# Altium PCB breakout_board.PcbDoc
Units mil, origin at the board's own origin, x right, y up, seen from the top; angles counter-clockwise.
Board outline 2000 x 900 mil, 2 copper layers (Top Layer, Bottom Layer), stack 61.855 mil thick; 38 components, 37 nets, 161 pads, 93 vias.
Unrouted connection lines stored in the file: 33.
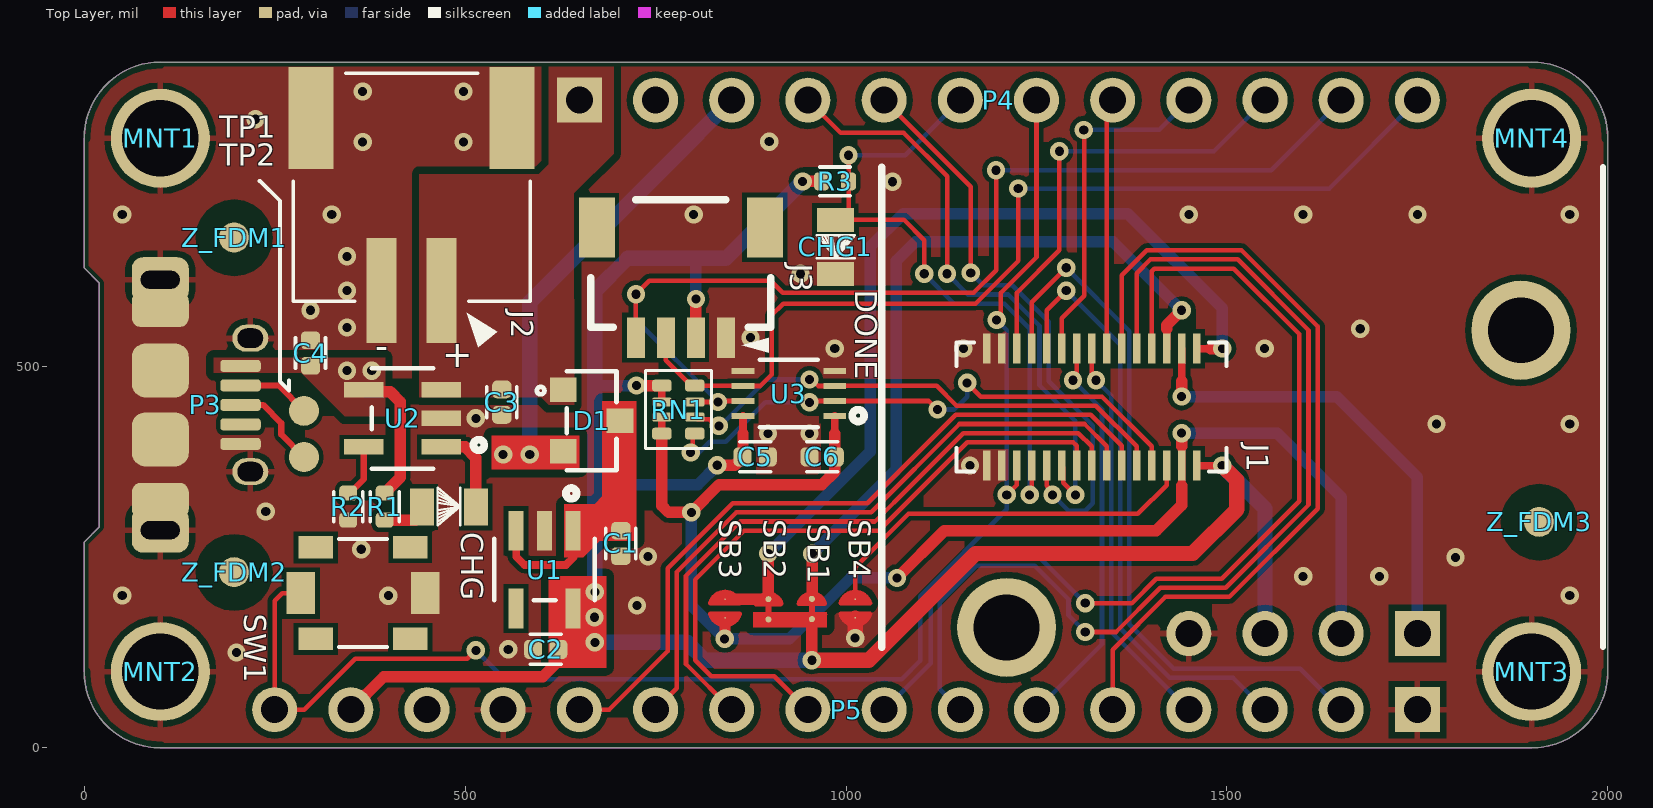
[diagram p0: Top Layer view]
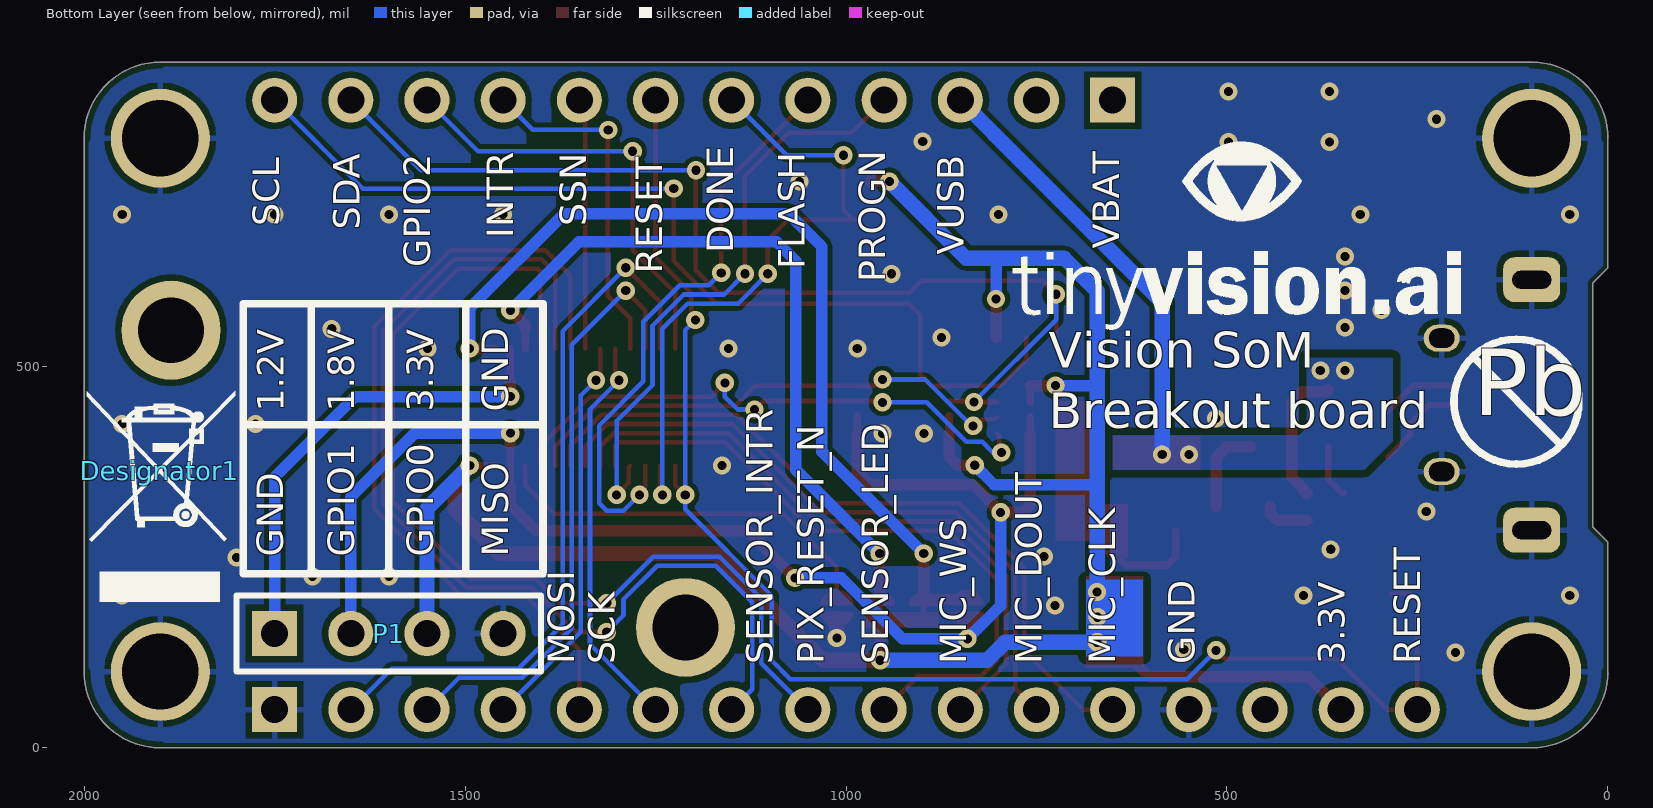
[diagram p1: Bottom Layer view, seen from below]
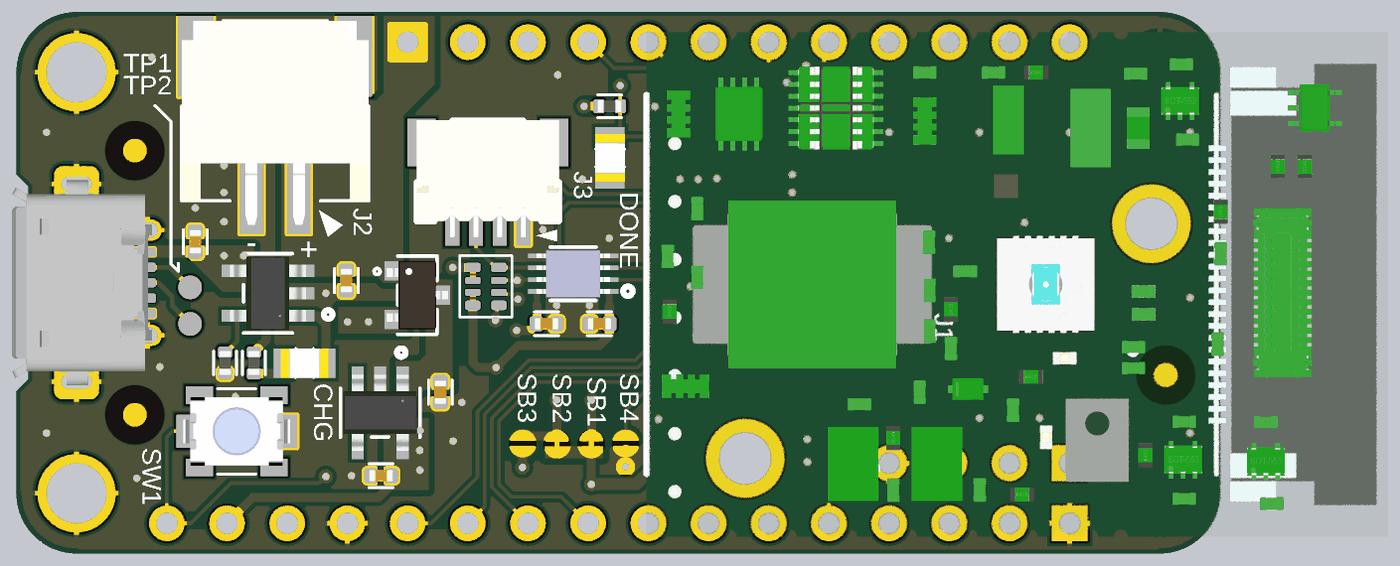
[diagram p2: 3D render of the assembled board from above, using the file's embedded part models]

## Layer stack, top to bottom
Top Solder: solder mask 0.4, Solder Resist, Dk 3.5
Top Layer: signal copper 1.4
Dielectric 1: dielectric 59.0551, FR-4, Dk 4.8
Bottom Layer: signal copper 1.4
Bottom Solder: solder mask 0.4, Solder Resist, Dk 3.5

## Board outline
0,100 0,270 20,290 20,610 0,630 0,800 cw(c100,800) 100,900 1900,900 cw(c1900,800) 2000,800 2000,100 cw(c1900,100) 1900,0 100,0 cw(c100,100)

## Design rules (kind name [scope] priority, off if disabled: settings)
Clearance [All] p1: gap=6 ignorepadtopadclearanceinfootprint=FALSE except(8: Arc-Poly THPad-Poly; 10: Fill-Poly Poly-Poly Poly-Region Poly-Hole)
ComponentClearance ComponentClearance_Logo [InComponent('P1') vs InComponent('SYM')] p1: gap=0 collisioncheckmode=3 verticalgap=0 showdistances=FALSE
ComponentClearance [All] p2: gap=10 collisioncheckmode=3 verticalgap=10 showdistances=FALSE
MinimumSolderMaskSliver [All] p1: minsoldermaskwidth=2
PolygonConnect PolygonConnect_PWR [InNet('VUSB') or InNet('VBAT')] p1: connectstyle=Direct reliefconductorwidth=10 reliefentries=4 polygonreliefangle="90 Angle" airgapwidth=10
PolygonConnect [All] p2: thpad.connectstyle=Relief thpad.reliefconductorwidth=8 thpad.reliefentries=4 thpad.polygonreliefangle="90 Angle" thpad.airgapwidth=8 smdpad.connectstyle=Direct smdpad.reliefconductorwidth=10 smdpad.reliefentries=4 smdpad.polygonreliefangle="90 Angle" smdpad.airgapwidth=10 via.connectstyle=Direct via.reliefconductorwidth=10 via.reliefentries=4 via.polygonreliefangle="90 Angle" via.airgapwidth=10
RoomDefinition breakout_board [InComponentClass('breakout_board')] p1 off: confinementstyle=ConfineIn formatcopy=TRUE lockcomponents=FALSE outline 7110,-1635 7715,-1635 7715,-1460 7110,-1460
RoutingVias [All] p1: holewidth=12 width=24 viastyle="Through Hole" minholewidth=10 minwidth=20 maxholewidth=28 maxwidth=50
SilkToSilkClearance [All] p1: silktosilkclearance=3
SilkToSolderMaskClearance [IsPad] p1: minsilkscreentomaskgap=0.5 clearancetoexposedcopper=TRUE
SolderMaskExpansion [All] p1: expansion=4 istentingtop=FALSE
Width [All] p1: maxlimit=40 minlimit=6 preferedwidth=10 minimp=50.000000 maximp=50.000000 favimp=50.000000
26 further rules are at their usual default settings.

## Components (designator, comment, footprint, x,y, rotation, side; value= is the part's Value field where it differs from the comment)
C1 "4.7uF" CAPC1005X61USR 704.47,268.19 r270 top
C2 "4.7uF" CAPC1005X61USR 605.86,129.19 r180 top
C3 "4.7uF" CAPC1005X61USR 548.24,453.63 r270 top
C4 "4.7uF" CAPC1005X61USR 297.18,518.11 r90 top
C5 "0.1uF" CAPC1005X61USR 880.77,381.87 r0 top
C6 "0.1uF" CAPC1005X61USR 968.72,381.87 r180 top
CHG "GREEN" LED_0805 478.75,316.16 r180 top
CHG1 "DONE" LED_0805 986.14,657.55 r90 top
D1 "BAT54C-E3-08" SOT-23 666.23,429.45 r270 top
Designator1 "Comment" WEEE_Minimum 1901,364 r180 bottom locked
J1 "DF23C-30DP-0.5V(92)" SOM-SMD 1662.93,447.18 r270 top locked
J2 "Li Ion" JST_S2B-PH-SM4-TB(LF)(SN) 430,600 r180 top locked
J3 "" 1X04_1MM_RA 783.33,538.38 r180 top
MNT1 "MOUNTING HOLE" MNT620-275N#1 100,800 r90 top locked
MNT2 "MOUNTING HOLE" MNT620-275N#1 100,100 r90 top
MNT3 "MOUNTING HOLE" MNT620-275N#2 2180.76,-205.11 r90 top
MNT4 "MOUNTING HOLE" MNT620-275N#3 1932.85,-199.41 r90 top
P1 "Header 4" HDR1X4 1750,150 r180 bottom
P3 "0475890001" *MOLEX_0475890001 100,450 r270 top locked
P4 "Header 12" HDR1X12 650,850 r0 top locked
P5 "Header 16" HDR1X16 1000,50 r180 top locked
R1 "1K" RESC1005X40USR 394.55,316.65 r270 top
R2 "10K" RESC1005X40USR 346.69,316.65 r90 top
R3 "1K" RESC1005X40USR 985.62,743.39 r0 top
RN1 "47K" RESCAXS50P100X200X45-8NA 779.98,443.97 r0 top
SB1 "Solderbridge" Solderbridge_Shorted 955.2,182.2 r90 top net-tie
SB2 "Solderbridge" Solderbridge_Shorted 898.2,181.8 r90 top net-tie
SB3 "Solderbridge" Solderbridge#1 841.2,182.8 r90 top
SB4 "Solderbridge" Solderbridge#2 1012.2,182.8 r90 top
SW1 "PTS820 J25K SMTR LFS" PTS820J25MSMTRLFS 366,203 r0 top
TP1 "TEST POINT" "TP 1mm" 288.58,442.3 r90 top
TP2 "TEST POINT" "TP 1mm" 288.58,381.58 r90 top
U1 "SPX3819M5-L-3-3/TR" SOT-23-5 604.38,233.9 r270 top
U2 "MCP73831T-2ACI/OT" SOT-23-5 418.01,432.4 r180 top
U3 "TC7WPB9307FK" 8-VFSOP 925,465 r180 top
Z_FDM1 "FCM" FID100X250N 196.85,669.29 r90 top
Z_FDM2 "FCM" FID100X250N 196.85,230.11 r90 top
Z_FDM3 "FCM" FID100X250N 1909.61,296.17 r90 top

## Footprints (in the part's own frame and the unit in brackets; to place one, negate y for a bottom-side part, rotate by r counter-clockwise, add the part's x,y. Pads: shape width x height; smd on the part's side, far side on the other; paste and mask are expansions set on the pad)
1X04_1MM_RA [mm] "1X04_1MM_RA"
  rect 0.6x1.35 smd: 1(-1.5,0) 2(-0.5,0) 3(0.5,0) 4(1.5,0)
  rect 1.2x2 smd: NC1(2.8,-3.675) NC2(-2.8,-3.675)
  silkscreen extent -3,-4.6 3,0.51, body extent -3,-4.61 3,0.34, height 3.25
8-VFSOP [mm]
  rect 0.756x0.199 smd paste+0 mask+0: 1(-1.528,0.75) 2(-1.528,0.25) 3(-1.528,-0.25) 4(-1.528,-0.75) 5(1.528,-0.75) 6(1.528,-0.25) 7(1.528,0.25) 8(1.528,0.75)
  silkscreen extent -2.51,-1.13 0.97,1.13, body extent -1.55,-1 1.55,1, height 0.75
*MOLEX_0475890001 [mm]
  rrect50% 0.4x1.35 smd mask+0.051: 1(-1.3,2.675) 2(-0.65,2.675) 3(0,2.675) 4(0.65,2.675) 5(1.3,2.675)
  rrect50% 1.175x1.9 smd: SH(-3.187,0) SH_3(3.187,0)
  rrect50% 1.8x1.9 smd: SH_1(1.15,0) SH_2(-1.15,0)
  oval 0.9x1.2 hole 0.65 slot 0.85 at 90 deg: SH_4(-2.225,3) SH_5(2.225,3)
  rrect50% 1.5x1.9 hole 0.6 slot 1.3 at 90 deg: SH_6(-4.175,0) SH_7(4.175,0)
  body extent -4.32,-2.72 4.32,3.17, height 2.74
CAPC1005X61USR [mm] "Capacitor, Chip; 1.016 mm L X 0.508 mm W X 0.61 mm H body"
  rrect51% 0.59x0.64 smd: 1(-0.425,0) 2(0.425,0)
  silkscreen extent -0.51,-0.5 0.51,0.5, body extent -0.51,-0.25 0.51,0.25, height 0.61
FID100X250N [mm]
  round 1 smd paste-0.5 mask+0.75: 1(0.01,0)
  Top Layer pour cut-out: 1.281,0 1.237,0.332 1.109,0.64 0.906,0.906 0.64,1.109 0.332,1.237 0,1.281 -0.332,1.237 -0.64,1.109 -0.906,0.906 -1.109,0.64 -1.237,0.332 -1.281,0 -1.237,-0.332 -1.109,-0.64 -0.906,-0.906 -0.64,-1.109 -0.332,-1.237 0,-1.281 0.332,-1.237 0.64,-1.109 0.906,-0.906 1.109,-0.64 1.237,-0.332
HDR1X4 [mm] "Connector; Header; 4 Position"
  rect 1.5x1.5 hole 0.9: 1(0,0)
  round 1.5 hole 0.9: 2(2.54,0) 3(5.08,0) 4(7.62,0)
  silkscreen extent -1.27,-1.27 8.89,1.27
HDR1X12 [mm] "Connector; Header; 12 Position"
  rect 1.5x1.5 hole 0.9: 1(0,0)
  round 1.5 hole 0.9: 2(2.54,0) 3(5.08,0) 4(7.62,0) 5(10.16,0) 6(12.7,0) 7(15.24,0) 8(17.78,0) 9(20.32,0) 10(22.86,0) 11(25.4,0) 12(27.94,0)
HDR1X16 [mm] "Connector; Header; 16 Position"
  rect 1.5x1.5 hole 0.9: 1(-19.05,0)
  round 1.5 hole 0.9: 2(-16.51,0) 3(-13.97,0) 4(-11.43,0) 5(-8.89,0) 6(-6.35,0) 7(-3.81,0) 8(-1.27,0) 9(1.27,0) 10(3.81,0) 11(6.35,0) 12(8.89,0) 13(11.43,0) 14(13.97,0) 15(16.51,0) 16(19.05,0)
JST_S2B-PH-SM4-TB(LF)(SN) [mm]
  rect 1x3.5 smd: 1(-1,0) 2(1,0)
  rect 1.5x3.4 smd: S1(-3.35,-5.75) S2(3.35,-5.75)
  silkscreen extent -3.95,-7.25 3.95,1.88, body extent -3.95,-7.24 3.95,1.36, height 5.58
LED_0805 [mm]
  rect 0.8x1.245 smd paste+0 mask+0: 1(0.9,0) 2(-0.9,0)
  silkscreen extent -0.38,-0.65 0.38,0.62, body extent -1,-0.62 1,0.63, height 0.75
MNT620-275N#1 [mil]
  round 130 hole 100: 1(0,0)
MNT620-275N#2 [mil]
  round 130 hole 100: 1(305.11,280.76)
MNT620-275N#3 [mil]
  round 130 hole 100: 1(999.41,32.85)
PTS820J25MSMTRLFS [mm]
  rect 0.95x1.4 smd: 1(-2.075,0) 2(2.075,0)
  rect 1.15x0.75 smd: G1(-1.575,-1.525) G2(1.575,-1.525) G3(1.575,1.525) G4(-1.575,1.525)
  silkscreen extent -0.8,-1.8 0.8,1.8, body extent -2.25,-1.45 2.25,1.45, height 2.05
RESC1005X40USR [mm] "Resistor, Chip; 1.00 mm L X 0.50 mm W X 0.40 mm H body"
  rrect52% 0.5x0.6 smd: 1(-0.45,0) 2(0.45,0)
  silkscreen extent -0.5,-0.48 0.5,0.48, body extent -0.5,-0.25 0.5,0.25, height 0.4
RESCAXS50P100X200X45-8NA [mm] "2 Side, Convex"
  rrect50% 0.65x0.4 smd mask+0.051: 1(-0.55,0.8) 4(-0.55,-0.8) 5(0.55,-0.8) 8(0.55,0.8)
  rrect50% 0.65x0.3 smd mask+0.051: 2(-0.55,0.25) 3(-0.55,-0.25) 6(0.55,-0.25) 7(0.55,0.25)
  silkscreen extent -1.1,-1.3 1.1,1.3, body extent -0.65,-1.15 0.65,1.15, height 0.45
Solderbridge#1 [mil]
  round 2 smd paste-393.7: 1(-12.3,0) 2(12.3,0)
  Top Layer region: 4.2,19.25 5.15,20.17 10.66,18.39 13.2,16.7 16.1,13.8 18.2,11.5 20.5,7.6 21.6,3.9 21.4,-4.8 20.4,-7.6 17.1,-13 13.8,-16.2 10.19,-18.46 6.2,-19.7 4.2,-19
  Top Layer region: -4.2,-19.25 -5.15,-20.17 -10.66,-18.39 -13.2,-16.7 -16.1,-13.8 -18.2,-11.5 -20.5,-7.6 -21.6,-3.9 -21.4,4.8 -20.4,7.6 -17.1,13 -13.8,16.2 -10.19,18.46 -6.2,19.7 -4.2,19
  Top Layer lines w6: -7.07,19.26 ccw(c-1.67,0) -21.67,0 ccw(c-1.67,0) -7.07,-19.26 ; 7.07,19.26 cw(c1.67,0) 12.3,-16.94 cw(c1.67,0) 7.07,-19.26
Solderbridge#2 [mil]
  round 2 smd paste-393.7: 1(-12.3,0) 2(12.3,0)
  Top Layer region: 4.2,19.25 5.15,20.17 10.66,18.39 13.2,16.7 16.1,13.8 18.2,11.5 20.5,7.6 21.6,3.9 21.4,-4.8 20.4,-7.6 17.1,-13 13.8,-16.2 10.19,-18.46 6.2,-19.7 4.2,-19
  Top Layer region: -4.2,-19.25 -5.15,-20.17 -10.66,-18.39 -13.2,-16.7 -16.1,-13.8 -18.2,-11.5 -20.5,-7.6 -21.6,-3.9 -21.4,4.8 -20.4,7.6 -17.1,13 -13.8,16.2 -10.19,18.46 -6.2,19.7 -4.2,19
  Top Layer lines w6: -7.07,19.26 ccw(c-1.67,0) -21.67,0 ccw(c-1.67,0) -12.3,-16.94 ccw(c-1.67,0) -7.07,-19.26 ; 7.07,19.26 cw(c1.67,0) 21.67,0 cw(c1.67,0) 7.07,-19.26
Solderbridge_Shorted [mm]
  round 0.2 smd paste-10: 1(-0.338,0) 2(0.338,0)
  Top Layer region: 0.102,0.432 0.178,0.505 0.296,0.467 0.361,0.424 0.434,0.351 0.488,0.292 0.546,0.193 0.574,0.099 0.569,-0.122 0.544,-0.193 0.46,-0.33 0.376,-0.411 0.284,-0.469 0.183,-0.5 0.132,-0.483 0.102,-0.43
  Top Layer region: -0.102,-0.432 -0.178,-0.505 -0.296,-0.467 -0.361,-0.424 -0.434,-0.351 -0.488,-0.292 -0.546,-0.193 -0.574,-0.099 -0.569,0.122 -0.544,0.193 -0.46,0.33 -0.376,0.411 -0.284,0.469 -0.183,0.5 -0.132,0.483 -0.102,0.43
  Top Layer lines w0.152: -0.178,0.431 ccw(c-0.068,0) -0.178,-0.431 ; 0.178,0.431 cw(c0.068,0) 0.178,-0.431
  Top Layer lines w0.203: -0.338,0 0.338,0
SOM-SMD [mm]
  rect 1x0.25 smd mask+0.051: 1(-1.95,-5.15) 2(1.95,-5.15) 3(-1.95,-5.65) 4(1.95,-5.65) 5(-1.95,-6.15) 6(1.95,-6.15) 7(-1.95,-6.65) 8(1.95,-6.65) 9(-1.95,-7.15) 10(1.95,-7.15) 11(-1.95,-7.65) 12(1.95,-7.65) 13(-1.95,-8.15) 14(1.95,-8.15) 15(-1.95,-8.65) 16(1.95,-8.65) 17(-1.95,-9.15) 18(1.95,-9.15) 19(-1.95,-9.65) 20(1.95,-9.65) 21(-1.95,-10.15) 22(1.95,-10.15) 23(-1.95,-10.65) 24(1.95,-10.65) 25(-1.95,-11.15) 26(1.95,-11.15) 27(-1.95,-11.65) 28(1.95,-11.65) 29(-1.95,-12.15) 30(1.95,-12.15)
  round 3.302 hole 2.2: M1(-2.562,5.662) M2(7.344,-11.483)
  silkscreen extent -8,-15.65 8,8.4, body extent -13.44,-15.65 10.65,15.65, height 16.5
SOT-23 [mil]
  rect 32x35 smd paste+0 mask+0: 1(-40.35,-37.2) 2(40.35,-37.2) 3(0,37.2)
  silkscreen extent -65,-72 65,33, body extent -57,-51 57,51, height 45
SOT-23-5 [mil]
  rect 52x20 smd paste+0 mask+0: 1(-51,37.4) 2(-51,0) 3(-51,-37.4) 4(51,-37.4) 5(51,37.4)
  silkscreen extent -107,-66 41,66, body extent -63,-61 63,61, height 57
"TP 1mm" [mm] "1 mm Probe Pad"
  round 1 smd: 1(0,0)
WEEE_Minimum [mil]
  silkscreen extent -95,-172 99,104

## Part data
C1 C2 C3 C4: library part "CAP NP", MPN=C0402C475M7PACTU, Mfg=KEMET, Supplier PN=399-5499-1-ND
C5 C6: library part Cap_100nF_X7R_10%_0402, "CAP CER 0.1UF 6.3V 0402", Manufacturer=TDK, MPN=C0402C104Z4VAC7867, Package=0402, Mfg=KEMET, Part #=E-CAP-003, Supplier PN=399-1043-1-ND
CHG CHG1: library part LED_1, "Avago HSMG-C170", MPN=HSMG-C170, Mfg="Avago Technologies US Inc.", Supplier PN=516-1434-1-ND
D1: library part BAT54C, "DIODE ARRAY SCHOTTKY 30V SOT23", Manufacturer=Rectron, Supplier Part Number 1=BAT54C-E3-08CT-ND, Temperature Range="-55 to 150 degC", Cd (pF)=10, ComponentLink1Description="Manufacturer URL", ComponentLink1URL=http://www.nxp.com/, ComponentLink2Description=Datasheet, ComponentLink2URL=http://www.nxp.com/documents/data_sheet/BAT54_SER.pdf, DatasheetVersion="Rev. 5", IR (uA)=2, Manufacturer Part Number=BAT54C-E3-08, Mounting Technology="Surface Mount", PackageDescription="3-Pin Plastic Surface-mounted Package, Body 1.3 x 2.9 mm, Pitch 0.95 mm", PackageReference=SOT23-3, Packing="Tape and Reel", RoHS=TRUE, Rth(j-a) (K/W)=500, Supplier 1=Digi-Key, Trr (ns)=5, VF (mV)=800, VR (V)=30
J1: "CONN PLUG 30POS SMD GOLD", Digi-Key Part Number=H11880CT-ND, Manufacturer="Hirose Electric Co Ltd", Package=DF23C30DP05V92, Allied_Number=R1050738, Allied_Price-Stock=https://www.alliedelec.com/hirose-electric-df23c-30dp-0-5v-92-/R1050738/, DeviceSetName=DF23C-30DP-0.5V(92), Height=1mm, LibraryName=DF23C-30DP-0.5V(92), Manufacturer Part Number=DF23C-30DP-0.5V(92), Mouser_Part_Number=798-DF23C30DP05V92, Mouser_Price-Stock=https://www.mouser.com/Search/Refine.aspx?Keyword=798-DF23C30DP05V92, RS_Part_Number=7241056, RS_Price-Stock=https://uk.rs-online.com/web/p/products/7241056, SymbolName_1=DF23C-30DP-0.5V(92)
J2: library part S2B-PH-SM4-TB(LF)(SN), "CONN HEADER SMD R/A 2POS 2MM", Manufacturer="JST Sales", Package=None, Supplier Part Number 1=455-1749-1-ND, Height=5.51mm, Manufacturer Part Number=S2B-PH-SM4-TB(LF)(SN), Pitch=2.00mm
J3: library part QWIIC_CONNECTORJS-1MM, "CONN HEADER SMD R/A 4POS 1MM", MPN=SM04B-SRSS-TB(LF)(SN), GND=GND, Mfg="JST Sales America Inc.", SCL=SCL, SDA=SDA, Supplier PN=455-1804-1-ND, VCC=VCC
MNT1 MNT2 MNT3 MNT4: library part MNT_1, Emcraft #=NA, Notes=PCB, Part #=NA
P1: "Header, 4-Pin", LatestRevisionDate=17-Jul-2002, LatestRevisionNote="Re-released for DXP Platform.", Publisher="Altium Limited"
P3: "CONN RCPT MICRO USB AB 5P SMD RA", Mfg=Molex, MPN=0475890001, Supplier PN=WM17143CT-ND
P4: "Header, 12-Pin", LatestRevisionDate=17-Jul-2002, LatestRevisionNote="Re-released for DXP Platform.", Publisher="Altium Limited"
P5: "Header, 16-Pin", LatestRevisionDate=17-Jul-2002, LatestRevisionNote="Re-released for DXP Platform.", Publisher="Altium Limited"
R1 R3: library part R_SH, "RESISTOR 1K OHM 1% 0.0625W 0402", MPN=RC0402FR-071KL, Mfg=Yageo, Supplier PN=311-1.00KLRCT-ND
R2: library part R_SH, "RESISTOR 10K OHM 1% 0.0625W 0402", MPN=RC0402FR-071KL, Mfg=Yageo, Supplier PN=311-1.00KLRCT-ND
RN1: library part EXB-N8V473JX, "RES ARRAY 4 RES 10K OHM 0804", Manufacturer=Panasonic, Package=0804, Supplier Part Number 1=Y10473CT-ND, Height=0.55mm, Manufacturer Part Number=EXB-N8V473JX, Price=$0.11, Price 100=$0.0363, Supplier 1=Digi-Key
SB1 SB2: library part "Solderbridge Shorted", "Shorted Solderbridge", Artikkelnr Noca=N.A., Artikkelnr Simpro=N.A., Footprint Doc=Solderbridge_Shorted, LatestRevisionDate=2012-08-07, Part Number="Solderbridge Shorted", Pin Count=2, Published=2012-08-07, Publisher="Nordic Semiconductor"
SW1: library part SPST_NO, "SWITCH TACTILE SPST-NO 0.05A 12V", Manufacturer=C&K, Supplier Part Number 1=CKN10897CT-ND, Manufacturer Part Number="PTS820 J25K SMTR LFS", Supplier 1=Digi-Key
U1: "IC REG LINEAR 3.3V 500MA SOT23-5", Digi-Key Part Number=1016-1873-2-ND, Manufacturer="MaxLinear, Inc.", Manufacturer Product Number=SPX3819M5-L-3-3/TR
U2: library part PM-BM-MCP73831-SOT5, "Miniature Single-Cell, Fully Integrated Li-Ion, Li-Polymer Charge Management Controller, 4.2V, 5-Pin SOT-23, Industrial Temperature, Tape and Reel", Code_IPC=SOT23-5, DatasheetVersion="revE, Sep-2008", PackageDescription="5-Lead Plastic Small Outline Transistor (OT) [SOT-23]", PackageReference=SOT-23-OT5, PackageVersion="revBB, Aug-2009"
U3: "X34 GENERAL-PURPOSE BUS SWITCH L", Digi-Key Part Number=TC7WPB9307FKLF(CTTR-ND, Manufacturer="Toshiba Semiconductor and Storage", Manufacturer Product Number=TC7WPB9307FK,LF(CT
SB3 SB4: Artikkelnr Noca=N.A., Artikkelnr Simpro=N.A., Footprint Doc=Solderbridge, LatestRevisionDate=2009-12-14, Part Number=Solderbridge, Pin Count=2, Published=2009-12-14, Publisher="Nordic Semiconductor"

## Via types
v1: diameter 24/23.62 (per signal layer), hole 12, Top Layer to Bottom Layer, tented both sides, 48 vias
v2: diameter 24, hole 12, Top Layer to Bottom Layer, tented both sides, 44 vias
v3: diameter 24, hole 12, Top Layer to Bottom Layer, 1 vias

## Nets (pads, with @x,y where several pads share a name; then routed paths per layer and width w, separated by ;. In a path a pad name is that pad's centre, name@x,y a point inside that pad or via, vN(x,y) a via of type N, cw(c..) or ccw(c..) an arc to the next point about the centre after c; other vN are vias at no path point)
DONE: CHG1.1 J1.24 P4.6 R3.2 | length 864.1
  Top Layer w6: CHG1.1 CHG1.1@990.59,692.98 ; v2(1003.33,777.67) R3.2 1003.33,705.73 CHG1.1@990.59,692.98 ; v2(1102.65,622.12) 1102.65,666.38 1076.06,692.98 CHG1.1@990.59,692.98 ; v2(1241,332) 1243.64,334.64 J1.24
  Bottom Layer w6: v2(1003.33,777.67) 1077.67,777.67 P4.6 ; v2(1102.65,622.12) 1141.77,583 1208.03,583 1241,550.03 v2(1241,332)
GND: C1.2 C2.2 C3.2 C4.2 C5.2 C6.2 CHG1.2 J1.27 J1.28 J1.29 J1.30 J2.2 J2.S1 J2.S2 J3.1 MNT1.1 MNT2.1 MNT3.1 MNT4.1 P1.4 P3.5 P3.SH P3.SH_1 P3.SH_2 P3.SH_3 P3.SH_4 P3.SH_5 P3.SH_6 P3.SH_7 P5.1 P5.13 R2.1 SB4.1 SW1.2 U1.2 U2.2 U3.4 U3.5 | length 26.6
  Top Layer w20: v3(1012,144) 1012,160.93 1012.2,161.13 SB4.1
  other v1: 200,125 556.64,129.19 725.64,186.73 50,200 399.37,199.67 1950,200 1600,225 1700,225 1800,250 740.11,251 363.85,260.55 238.38,310.06 1162.83,370.54 897.5,412.47 951.99,412.47 1775,425 1950,425 514.19,432.4 985.15,523.95 1154,524.03 1549.51,523.95 874.75,538.39 1675,550 345,551.58 297.18,574.36 345,600 940.2,622.12 345,645.03 50,700 325,700 800,700 1450,700 1600,700 1750,700 1950,700 1061,743 365.6,795 497.85,795 899.32,795.56 225,825 365.6,861.48 497.85,861.48
GPIO_0: J1.21 P5.3 | length 793.4
  Top Layer w6: J1.21 1263.33,574.33 v2(1289,600)
  Bottom Layer w6: v2(1289,600) 1360,529 1360,157.03 1425.03,92 1508,92 P5.3
GPIO_1: J1.23 P5.2 | length 951.6
  Top Layer w6: J1.23 1243.64,584.64 v2(1289,630)
  Bottom Layer w6: v2(1289,630) 1372,547 1372,162 1430,104 1596,104 P5.2
GPIO_2: J1.25 P4.10 | length 580
  Top Layer w6: J1.25 J1.25 1224,597 1280,653 v2(1280,783)
  Bottom Layer w6: v2(1280,783) 1483,783 P4.10
HOST_INTR: J1.19 P4.9 | length 453.6
  Top Layer w6: J1.19 1283.01,563.82 1312.49,593.29 1312.49,810.51 v2(1312,811)
  Bottom Layer w6: v2(1312,811) 1411,811 P4.9
HOST_MISO: J1.15 P5.4 | length 526.8
  Top Layer w6: J1.15 1322.38,488 v2(1328,482.39)
  Bottom Layer w6: v2(1328,482.39) 1348,462.39 1348,152 P5.4
HOST_MOSI: J1.11 P5.5 | length 1072.2
  Top Layer w6: P5.5 1350,128.86 1419.14,198 1503.24,198 1619.03,313.79 1619.03,553.04 1519.07,653 1394.7,653 1361.75,620.06 J1.11
HOST_SCK: J1.17 P5.6 | length 527.3
  Top Layer w6: v2(1298,482.39) 1298,487.26 1302.7,491.95 J1.17
  Bottom Layer w6: P5.6 1336,136 1336,444.39 v2(1298,482.39)
HOST_SSN: J1.13 P4.8 | length 329.3
  Top Layer w6: J1.13 J1.13 1342.15,842.15 P4.8
LDO_EN_N: J1.6 SB4.2 | length 520.9
  Top Layer w6: SB4.2 1012.2,204.47 1012.2,237.2 1082,307 1383,307 1420.81,344.81 J1.6
MIC_CLK: J1.12 P5.12 | length 978.5
  Top Layer w6: P5.12 689,50 766,127 766,235.77 851.23,321 1028,321 1144,437 1321,437 1361.75,396.25 J1.12
MIC_DOUT: J1.14 P5.11 | length 874.5
  Top Layer w6: P5.11 778,78 778,230.8 856.2,309 1033,309 1149,425 1313,425 1342.07,395.93 J1.14
MIC_WS: J1.16 P5.10 | length 843
  Top Layer w6: P5.10 790,110 790,225.83 861.17,297 1038,297 1086.44,345.44 1154,413 1305,413 1322.38,395.62 J1.16
NetC1_1: C1.1 D1.3 U1.1 U1.3 | length 153.3
  Top Layer w10: U1.3 567,251 578,240 632.5,240 642.5,250 642.5,284.18 U1.1
NetCHG_1: CHG.1 R1.2 | length 61
  Top Layer w15: R1.2 434.84,298.93 443.32,307.41 CHG.1
NetCHG_2: CHG.2 U2.1 | length 115.7
  Top Layer w15: U2.1 500,395 514.19,380.81 CHG.2
NetP3_2: P3.2 TP1.1 | length 97.1
  Top Layer w8: P3.2 255.29,475.59 TP1.1
NetP3_3: P3.3 TP2.1 | length 120.3
  Top Layer w8: P3.3 235,450 258.79,426.21 258.79,411.37 TP2.1
NetR2_2: R2.2 U2.5 | length 70.2
  Top Layer w8: R2.2 348.66,334.36 367.01,352.72 U2.5
PIX_RESET_N: J1.7 P5.8 | length 1310.7
  Top Layer w6: v2(1314,189.88) 1375.31,189.88 1407.42,222 1493.3,222 1595.03,323.73 1595.03,543.1 1509.13,629 1404.64,629 1401.12,625.49 J1.7
  Bottom Layer w6: P5.8 1111,111 1111,196.03 1165.97,251 1252.88,251 v2(1314,189.88)
PROG_FLASH: J1.22 P4.5 | length 772.1
  Top Layer w6: P4.5 1163.74,736.26 v2(1163.74,623.41) ; J1.22 1263.33,343.83 1271,336.16 v2(1271,332)
  Bottom Layer w6: v2(1163.74,623.41) 1180.15,607 1217.97,607 1266,558.97 1266,480.97 1324,422.97 1324,321 1314,311 1292,311 v2(1271,332)
PROGN: J1.20 P4.4 | length 789.1
  Top Layer w6: P4.4 993,807 1076,807 1132.65,750.35 v2(1132.65,622.12) ; J1.20 1284.93,368.49 1284.93,348.07 v2(1301,332)
  Bottom Layer w6: v2(1132.65,622.12) 1159.77,595 1213,595 1254,554 1254,476 1301,429 v2(1301,332)
RESET_N: J1.26 P4.7 P5.16 SW1.1 | length 1941.5
  Top Layer w6: SW1.1 260,203 250,193 P5.16 289.08,50 356.08,117 503.14,117 514.05,127.91 v2(514.19,127.91) ; v2(1197.74,561.57) 1201.25,565.08 1203,565.08 1203,597 1250,644 P4.7 ; v2(1211,332) 1223.96,344.96 J1.26
  Bottom Layer w6: v2(514.19,127.91) 552.1,90 1073,90 1097.2,114.2 1097.2,199.2 1211,313 v2(1211,332) 1211,548.3 v2(1197.74,561.57)
SCL: J3.4 P4.11 RN1.7 U3.7 | length 1427.5
  Top Layer w6: J3.4 v2(724.27,595.27) 742,613 901.44,613 917.07,597.37 1167.4,597.37 1197,626.97 v2(1197,758) ; RN1.7 801.73,453.91 831.91,453.91 833.16,455.16 U3.7
  Bottom Layer w6: v2(724.27,595.27) 724.27,561.73 v2(832,454) ; v2(1197,758) 1558,758 P4.11
SDA: J3.3 P4.12 RN1.8 U3.6 | length 1286.8
  Top Layer w6: J3.3 763.64,508.54 797.02,475.15 864.54,475.15 U3.6 887.37,474.84 902.27,489.74 902.27,567.65 917.62,583 1170,583 1226,639 v2(1226,734)
  Bottom Layer w6: v2(1226,734) 1634,734 P4.12
SENSOR_INTR: J1.9 P5.7 | length 1373.2
  Top Layer w6: v2(1314,152) 1354.39,152 1412.39,210 1498.27,210 1607.03,318.76 1607.03,548.07 1514.1,641 1399.67,641 1381.44,622.77 J1.9
  Bottom Layer w6: P5.7 1123.01,76.99 1123.01,191.07 1170.94,239 1247.91,239 1292,194.91 1292,174 v2(1314,152)
SENSOR_LED: J1.18 P5.9 | length 883.9
  Top Layer w6: P5.9 906,94 823,94 802,115 802,220.86 866.14,285 1043.03,285 1159.03,401 1298,401 1302.7,396.3 J1.18
SOM_SCL: J1.8 RN1.5 U3.2 | length 752.5
  Top Layer w6: v2(796.05,387.55) 798.84,390.34 798.84,409.68 RN1.5 ; v2(951.99,453.38) 953.77,455.16 U3.2 1108.84,455.16 v2(1120,444) ; v2(1159,479) 1177,461 1336,461 1401.12,395.88 J1.8
  Bottom Layer w6: v2(796.05,387.55) 801.02,387.55 804.21,384.35 821.41,401.55 842.24,401.55 894.07,453.38 v2(951.99,453.38) ; v2(1120,444) 1142,444 1159,461 v2(1159,479)
SOM_SDA: J1.10 RN1.6 U3.3 | length 671.4
  Top Layer w6: RN1.6 804.54,431.22 820.64,431.22 829.31,422.55 v2(833.16,422.55) ; v2(951.99,483.38) 955.28,483.38 963.82,474.84 U3.3 985.31,475 1119,475 1145,449 1328,449 1381.42,395.58 J1.10
  Bottom Layer w6: v2(833.16,422.55) 834.68,424.08 836.6,424.08 895.91,483.38 v2(951.99,483.38)
VBAT: C3.1 D1.1 J2.1 P4.1 U2.3
VDD12: J1.3 P1.1 | length 621.4
  Top Layer w10: 1440.49,480.97 J1.3
  Top Layer w15: v2(1440.49,461) 1440.49,480.97
  Bottom Layer w15: v2(1440.49,461) 1644.11,461 1750,355.11 P1.1
VDD18: C6.1 J1.4 P1.2 RN1.3 RN1.4 SB3.1 U3.1 | length 1844.4
  Top Layer w10: RN1.4 RN1.3 ; 985.15,412.43 U3.1 ; 1440.49,343.91 J1.4 1440.49,395.58
  Top Layer w15: RN1.4 758.33,317.79 767.11,309 v2(797.02,309) 833.46,345.44 968.41,345.44 985.15,362.18 985.15,381.57 C6.1 985.15,382.17 985.15,412.43 ; v2(840.75,143) 841.2,143.45 SB3.1 ; v2(1067,223) 1129,285 1407,285 1440.49,318.49 1440.49,343.91 ; 1440.49,395.58 v2(1440.49,413)
  Bottom Layer w15: v2(797.02,309) 797.02,186.73 v2(840.75,143) 925.89,143 1005.89,223 v2(1067,223) ; v2(1440.49,413) 1566.02,413 1650,329.02 P1.2
VDD33: C2.1 C5.1 J1.2 J3.2 P1.3 P5.15 R3.1 RN1.1 RN1.2 SB1.1 SB2.1 U1.5 U3.8 | length 2874.8
  Top Layer w10: RN1.2 RN1.1 ; 864.85,412.47 U3.8 ; J1.2 v2(1493.75,370.41)
  Top Layer w15: P5.15 393.03,93.03 601.77,93.03 621.31,112.57 621.31,127.91 C2.1 ; v2(725,475.47) RN1.1 ; J3.2 v2(803,589) ; v2(831.11,370.83) 853.99,370.83 864.04,380.88 C5.1 864.85,382.68 864.85,412.47 ; v2(943.09,743.39) R3.1 ; v2(955.16,115) SB1.1
  Top Layer w20: v2(955.16,115) 1029.97,115 1169.97,255 1455,255 1513,313 1513,351.16 v2(1493.75,370.41) ; SB1.1 SB1.1
  Bottom Layer w15: 670.38,345.44 805.72,345.44 v2(831.11,370.83) ; 670.38,475.47 v2(725,475.47) ; v2(803,589) 803.02,642.55
  Bottom Layer w20: v1(670.38,204.4) 670.38,345.44 670.38,475.47 670.38,599.38 713.55,642.55 803.02,642.55 842.25,642.55 v2(943.09,743.39) ; v2@670.56,138.25 v2(670.38,138.43) 791.57,138.43 815.07,114.93 955.09,114.93 v2(955.16,115) ; v2(1493.75,370.41) 1550,314.16 P1.3
  other v1: 670,171.41
VDD_IR_LED: J1.5 SB1.2 | length 970
  Top Layer w10: J1.5 1420.81,550.03
  Top Layer w15: SB1.2 955.65,195.95 v2(955.65,254.8) ; 1420.81,550.03 1420.81,554.64 v2(1440.49,574.33)
  Bottom Layer w15: v2(955.65,254.8) 1065.83,364.98 1065.83,639 1090.83,664 1350.82,664 v2(1440.49,574.33)
VDDIO: J1.1 SB2.2 SB3.2 | length 1193.4
  Top Layer w10: J1.1 1479,523.95
  Top Layer w15: SB3.2 858.14,195.1 SB2.2 898.2,254.8 v2(898,255) ; 1479,523.95 v2(1494,523.95)
  Bottom Layer w15: v2(898,255) 1031.81,388.81 1031.81,657.81 1075,701 1369.81,701 1494,576.81 v2(1494,523.95)
VUSB: C4.1 D1.2 P3.1 P4.3 R1.1 U2.4 | length 758.6
  Top Layer w15: U2.4 369.51,467.3 401.7,467.3 415,454 415,354.81 398.86,338.68 398.86,336.71 396.52,334.36 R1.1
  Bottom Layer w20: v1(585,385) 585,585 765,765 P4.3
  other v1: 550,385 345,495 377.51,495
pads on no net: J1.M1 J1.M2 J3.NC1 J3.NC2 P3.4 P4.2 P5.14 SW1.G1 SW1.G2 SW1.G3 SW1.G4 U1.4 Z_FDM1.1 Z_FDM2.1 Z_FDM3.1

## Polygon pours and split planes (outlines as drawn)
GND on Top Layer "GND_L01" (solid, remove dead copper, pour order 3): 0,900 0,0 2000,0 2000,900
VBAT on Top Layer "VBAT_L01" (solid, remove dead copper, pour order 1): 440,460 440,753 597,753 610,766 610,894 695,894 695,780 643,728 643,450 610,450 600,460
VUSB on Top Layer "VBUS_L01" (solid, remove dead copper, pour order 0): 170,492 285,492 342,435 395,435 395,512 170,512
GND on Bottom Layer "GND_L02" (solid, remove dead copper, pour order 4): 0,900 0,0 2000,0 2000,900
VUSB on Bottom Layer "VUSB_L02" (solid, remove dead copper, pour order 2): 650,365 320,365 282.5,402.5 282.5,512 395,512 395,420 405,410 650,410

## Keep-outs
Keep-Out Layer:
  the board outline again, w0.5

## Other copper
Top Layer:
  rectangle net VDD33: 878,158 975,178
  rectangle net VUSB: 535,365 650,410
  pour cut-out: 385.26,324.47 350.26,324.47 350.26,334.47 385.26,334.47
  pour cut-out: 1100.74,644.53 1135.74,644.53 1135.74,634.53 1100.74,634.53
  pour cut-out: 1015.63,804.25 1015.63,759.25 1005.63,759.25 1005.63,804.25
  pour cut-out: 1480,199 1480,164 1470,164 1470,199
  pour cut-out: 1414,162 1379,162 1379,172 1414,172
  pour cut-out: 1341,122 1341,157 1351,157 1351,122
  pour cut-out: 1337,454 1337,499 1347,499 1347,454
  pour cut-out: 1463,541 1498,541 1498,531 1463,531
  pour cut-out: 1460,516 1495,516 1495,506 1460,506
  pour cut-out: 1458.84,574.33 1458.84,539.33 1448.84,539.33 1448.84,574.33
  pour cut-out: 1435,566 1400,566 1400,576 1435,576
  pour cut-out: 1372,625 1337,625 1337,635 1372,635
  pour cut-out: 1281,785 1246,785 1246,795 1281,795
  pour cut-out: 1311,640 1276,640 1276,650 1311,650
  pour cut-out: 1195,635 1160,635 1160,645 1195,645
  pour cut-out: 1092,310 1092,345 1102,345 1102,310
  pour cut-out: 1110,274 1110,309 1120,309 1120,274
  pour cut-out: 1155,248.5 1155,283.5 1165,283.5 1165,248.5
  pour cut-out: 849,163 884,163 884,153 849,153
  pour cut-out: 801,163 836,163 836,153 801,153
  pour cut-out: 1190,574 1155,574 1155,584 1190,584
  pour cut-out: 967,359.2 967,432.14 981.16,432.14 981.16,359.2
  pour cut-out: 952,445 987,445 987,435 952,435
  pour cut-out: 879,427 879,392 869,392 869,427
  pour cut-out: 882,389 882,354 872,354 872,389
  pour cut-out: 795,297 795,262 785,262 785,297
  pour cut-out: 758,312 723,312 723,322 758,322
  pour cut-out: 754,486 754,521 796,521 796,486
  pour cut-out: 993,807 993,762 983,762 983,807
  pour cut-out: 995,725 944,725 944,762 995,762
  pour cut-out: 535,395 500,395 500,405 535,405
  pour cut-out: 660,225 660,255 670,255 670,225
  pour cut-out: 680,50 715,50 715,40 680,40
  pour cut-out: 325,40 280,40 280,70 325,70
  pour cut-out: 225,430 260,430 260,420 225,420
  pour cut-out: 290,427.5 290,392.5 280,392.5 280,427.5
  pour cut-out: 332,435 307,435 307,445 332,445
  pour cut-out: 395,400 395,435 405,435 405,400
  pour cut-out: 420,460 455,460 455,450 420,450
  pour cut-out: 397.5,485 432.5,485 432.5,475 397.5,475
  region net VDD33: 610,105 610,225 685,225 685,105
  region net NetC1_1: 680,455 725,455 725,272 677,272 655,250 630,250 630,320 670,320 680,330
Bottom Layer:
  rectangle net VDD33: 610,120 684.78,221
  pour cut-out: 1419,143 1397,143 1397,146 1419,146
  pour cut-out: 1572,109 1572,131 1575,131 1575,109
  pour cut-out: 1525,109 1525,131 1528,131 1528,109
  pour cut-out: 1472,105 1472,127 1475,127 1475,105
  pour cut-out: 1514,57 1514,79 1517,79 1517,57
  pour cut-out: 1480,64 1480,86 1483,86 1483,64
  pour cut-out: 1567,78 1567,100 1570,100 1570,78
  pour cut-out: 1413,823 1413,845 1416,845 1416,823
  pour cut-out: 1383,818 1383,840 1386,840 1386,818
  pour cut-out: 1305,622 1305,652 1308,652 1308,622
  pour cut-out: 1339,132 1361,132 1361,129 1339,129
  pour cut-out: 1221,89 1221,67 1218,67 1218,89
  pour cut-out: 1150,124 1128,124 1128,127 1150,127
  pour cut-out: 951,239 902,239 902,242 951,242
  pour cut-out: 1122.21,603 1076,603 1076,606 1122.21,606
  pour cut-out: 1189,711 1189,744 1192,744 1192,711
  pour cut-out: 1456,579 1478,579 1478,576 1456,576
  pour cut-out: 1380,729 1380,707 1377,707 1377,729
  pour cut-out: 1567,760 1567,738 1564,738 1564,760
  pour cut-out: 1492,783 1492,761 1489,761 1489,783
  pour cut-out: 1419,811 1419,789 1416,789 1416,811
  pour cut-out: 848,398 848,376 845,376 845,398
  pour cut-out: 800,374 800,352 797,352 797,374
  pour cut-out: 1119,91 1097,91 1097,94 1119,94
  pour cut-out: 970,95 970,117 973,117 973,95
  pour cut-out: 941,127 941,149 944,149 944,127
  pour cut-out: 793,151 793,173 796,173 796,151
  pour cut-out: 801,97 801,109 804,109 804,97
  region net VDD18: 1067,223

## Silkscreen, mask and mechanical layers (free items; w line width, h text height)
Top Overlay:
  lines w5: 230,744 231,744 257,718 257,481 269,469 269,482
  text "DONE" at 1002.53,601 h50 r270
  text "-" at 382,499.5 h60
  text "+" at 470,487.82 h60
Bottom Overlay:
  drawing of 27 lines, arcs and shapes, not listed
  text "SSN" at 1329.34,684.4 h60 r270
  text "SCL" at 1732.29,684.4 h60 r270
  text "SDA" at 1626.57,680.07 h60 r270
  text "INTR" at 1424.83,668.8 h60 r270
  text "VBAT" at 629.32,654.94 h60 r270
  text "DONE" at 1136.06,648.87 h60 r270
  text "VUSB" at 833.66,647.14 h60 r270
  text "GPIO2" at 1533.82,630.67 h60 r270
  text "FLASH" at 1042.5,628.07 h60 r270
  text "RESET" at 1229.19,622.5 h60 r270
  text "PROGN" at 936.94,611.35 h60 r270
  text "GND" at 1431.66,441 h60 r270
  text "3.3V" at 1529.66,441 h60 r270
  text "1.8V" at 1633.69,441 h60 r270
  text "1.2V" at 1726,441 h60 r270
  text "Pb" at 177.02,407.56 h150
  text "Vision SoM / Breakout board" at 733.91,403.37 h80
  text "MISO" at 1431.69,251 h60 r270
  text "GPIO0" at 1529.66,251 h60 r270
  text "GPIO1" at 1633.66,251 h60 r270
  text "GND" at 1726.66,251 h60 r270
  text "RESET" at 234.69,110 h60 r270
  text "3.3V" at 333.66,110 h60 r270
  text "GND" at 530.66,110 h60 r270
  text "MIC_CLK" at 634.58,110 h60 r270
  text "MIC_DOUT" at 731.58,110 h60 r270
  text "MIC_WS" at 830.58,110 h60 r270
  text "SENSOR_LED" at 932.58,110 h60 r270
  text "PIX_RESET_N" at 1017.58,110 h60 r270
  text "SENSOR_INTR" at 1084.58,110 h60 r270
  text "SCK" at 1291.69,110 h60 r270
  text "MOSI" at 1344.69,110 h60 r270
OUTLINE:
  the board outline again, w5
Drill Drawing:
  drawing of 260 lines, arcs and shapes, not listed
  text "Symbol" at 953.5,2992.98 h72
  text "Count" at 1459.37,2992.98 h72
  text "Hole Size" at 2049.22,2992.98 h72
  text "Plated" at 3198.88,2992.98 h72
  text "Hole Type" at 3704.76,2992.98 h72
  text "Drill Layer Pair" at 4438.56,2992.98 h72
  text "Via/Pad" at 5938.11,2992.98 h72
  text "Pad Shape" at 6527.96,2992.98 h72
  text "93" at 1459.37,2842.98 h60
  text "12.00mil (0.305mm)" at 2049.22,2842.98 h60
  text "PTH" at 3198.88,2842.98 h60
  text "Round" at 3704.76,2842.98 h60
  text "Top Layer - Bottom Layer" at 4438.56,2842.98 h60
  text "Via" at 5938.11,2842.98 h60
  text "Rounded" at 6527.96,2842.98 h60
  text "2" at 1459.37,2692.98 h60
  text "23.62mil (0.600mm)" at 2049.22,2692.98 h60
  text "PTH" at 3198.88,2692.98 h60
  text "Slot" at 3704.76,2692.98 h60
  text "Top Layer - Bottom Layer" at 4438.56,2692.98 h60
  text "Pad" at 5938.11,2692.98 h60
  text "Rounded Rectangle" at 6527.96,2692.98 h60
  text "2" at 1459.37,2542.98 h60
  text "25.59mil (0.650mm)" at 2049.22,2542.98 h60
  text "PTH" at 3198.88,2542.98 h60
  text "Slot" at 3704.76,2542.98 h60
  text "Top Layer - Bottom Layer" at 4438.56,2542.98 h60
  text "Pad" at 5938.11,2542.98 h60
  text "Rounded" at 6527.96,2542.98 h60
  text "32" at 1459.37,2392.98 h60
  text "35.43mil (0.900mm)" at 2049.22,2392.98 h60
  text "PTH" at 3198.88,2392.98 h60
  text "Round" at 3704.76,2392.98 h60
  text "Top Layer - Bottom Layer" at 4438.56,2392.98 h60
  text "Pad" at 5938.11,2392.98 h60
  text "(Mixed)" at 6527.96,2392.98 h60
  text "2" at 1459.37,2242.98 h60
  text "86.61mil (2.200mm)" at 2049.22,2242.98 h60
  text "PTH" at 3198.88,2242.98 h60
  text "Round" at 3704.76,2242.98 h60
  text "Top Layer - Bottom Layer" at 4438.56,2242.98 h60
  text "Pad" at 5938.11,2242.98 h60
  text "Rounded" at 6527.96,2242.98 h60
  text "4" at 1459.37,2092.98 h60
  text "100.00mil (2.540mm)" at 2049.22,2092.98 h60
  text "PTH" at 3198.88,2092.98 h60
  text "Round" at 3704.76,2092.98 h60
  text "Top Layer - Bottom Layer" at 4438.56,2092.98 h60
  text "Pad" at 5938.11,2092.98 h60
  text "Rounded" at 6527.96,2092.98 h60
  text "135 Total" at 1459.37,1942.98 h60
  text "Slot definitions :" at 953.5,1798.01 h60
  text "Routed Path Length" at 1986.19,1798.01 h60
  text "= Calculated from tool start centre position to tool end centre position." at 3088.85,1798.01 h60
  text "Hole Length" at 1986.19,1698.03 h60
  text "= Routed Path Length + Tool Size = Slot length as defined in the PCB layout" at 2678.98,1698.03 h60
  text "Layer" at 3178.77,882.68 h60
  text "Name" at 3588.68,882.68 h60
  text "Material" at 4518.43,882.68 h60
  text "Thickness" at 5378.19,882.68 h60
  text "Constant" at 6028.03,882.68 h60
  text "Board Layer Stack" at 6597.89,882.68 h60
  text "Top Overlay" at 3588.68,762.68 h60
  text "Top Solder" at 3588.68,642.68 h60
  text "Solder Resist" at 4518.43,642.68 h60
  text "0.40mil" at 5378.19,642.68 h60
  text "3.5" at 6028.03,642.68 h60
  text "1" at 3178.77,522.68 h60
  text "Top Layer" at 3588.68,522.68 h60
  text "Copper" at 4518.43,522.68 h60
  text "1.40mil" at 5378.19,522.68 h60
  text "Dielectric 1" at 3588.68,402.68 h60
  text "FR-4" at 4518.43,402.68 h60
  text "59.06mil" at 5378.19,402.68 h60
  text "4.8" at 6028.03,402.68 h60
  text "2" at 3178.77,282.68 h60
  text "Bottom Layer" at 3588.68,282.68 h60
  text "Copper" at 4518.43,282.68 h60
  text "1.40mil" at 5378.19,282.68 h60
  text "Bottom Solder" at 3588.68,162.68 h60
  text "Solder Resist" at 4518.43,162.68 h60
  text "0.40mil" at 5378.19,162.68 h60
  text "3.5" at 6028.03,162.68 h60
  text "Bottom Overlay" at 3588.68,42.68 h60

## Dimensions
1782,900 to 1754,0 on Drill Drawing
0,800 to 2000,800 on Drill Drawing